# Altium PCB PCB.PcbDoc
Units mm, origin at the board's own origin, x right, y up, seen from the top; angles counter-clockwise.
Board outline 57 x 33 mm, 4 copper layers (Top Layer 1, 3V3, GND, Bottom Layer 1), stack 0.746 mm thick; 41 components, 35 nets, 163 pads, 47 vias.
Unrouted connection lines stored in the file: 32.
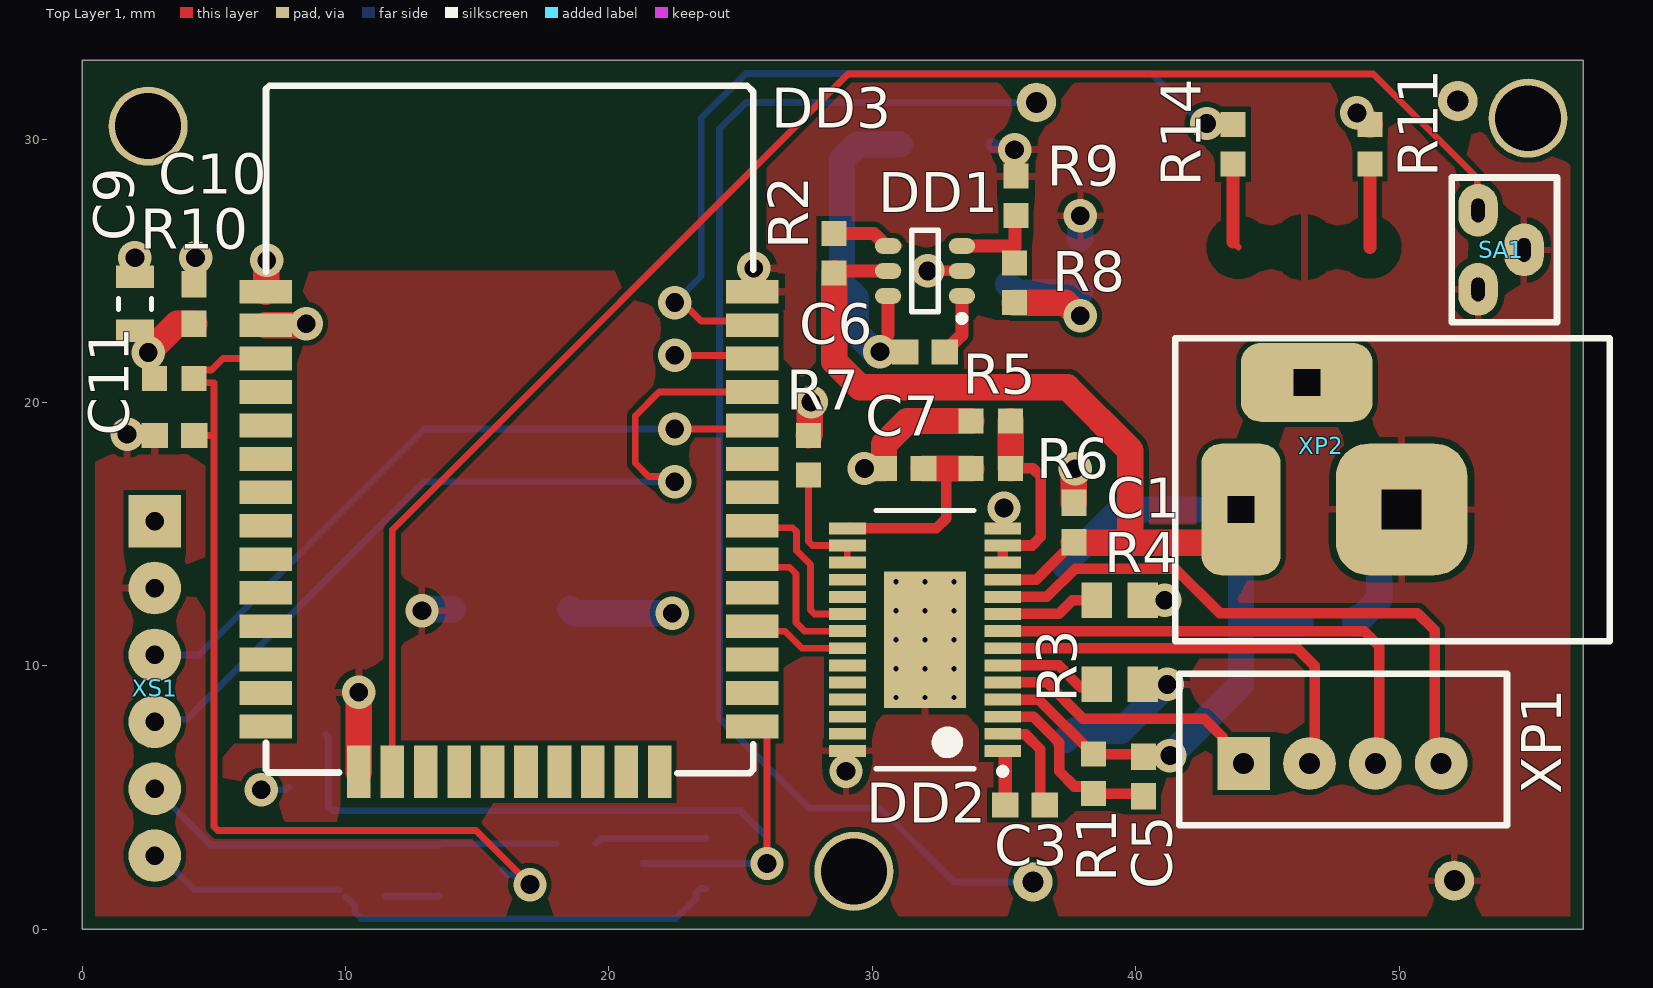
[diagram p0: Top Layer 1 view]
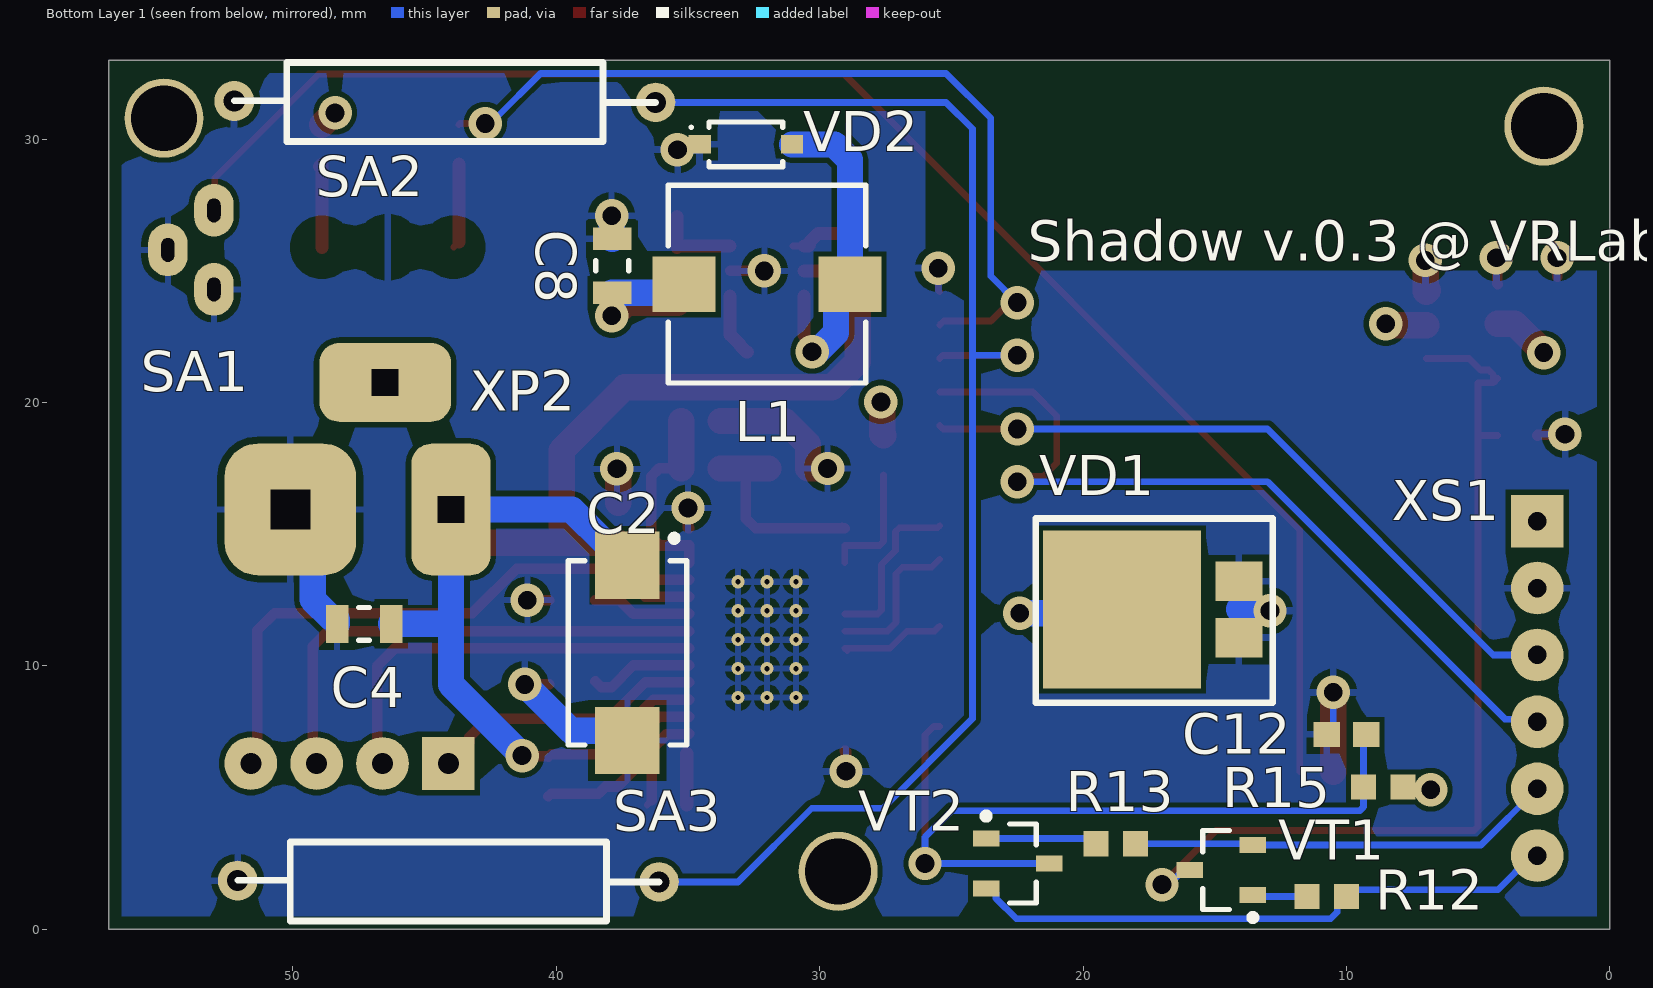
[diagram p1: Bottom Layer 1 view, seen from below]
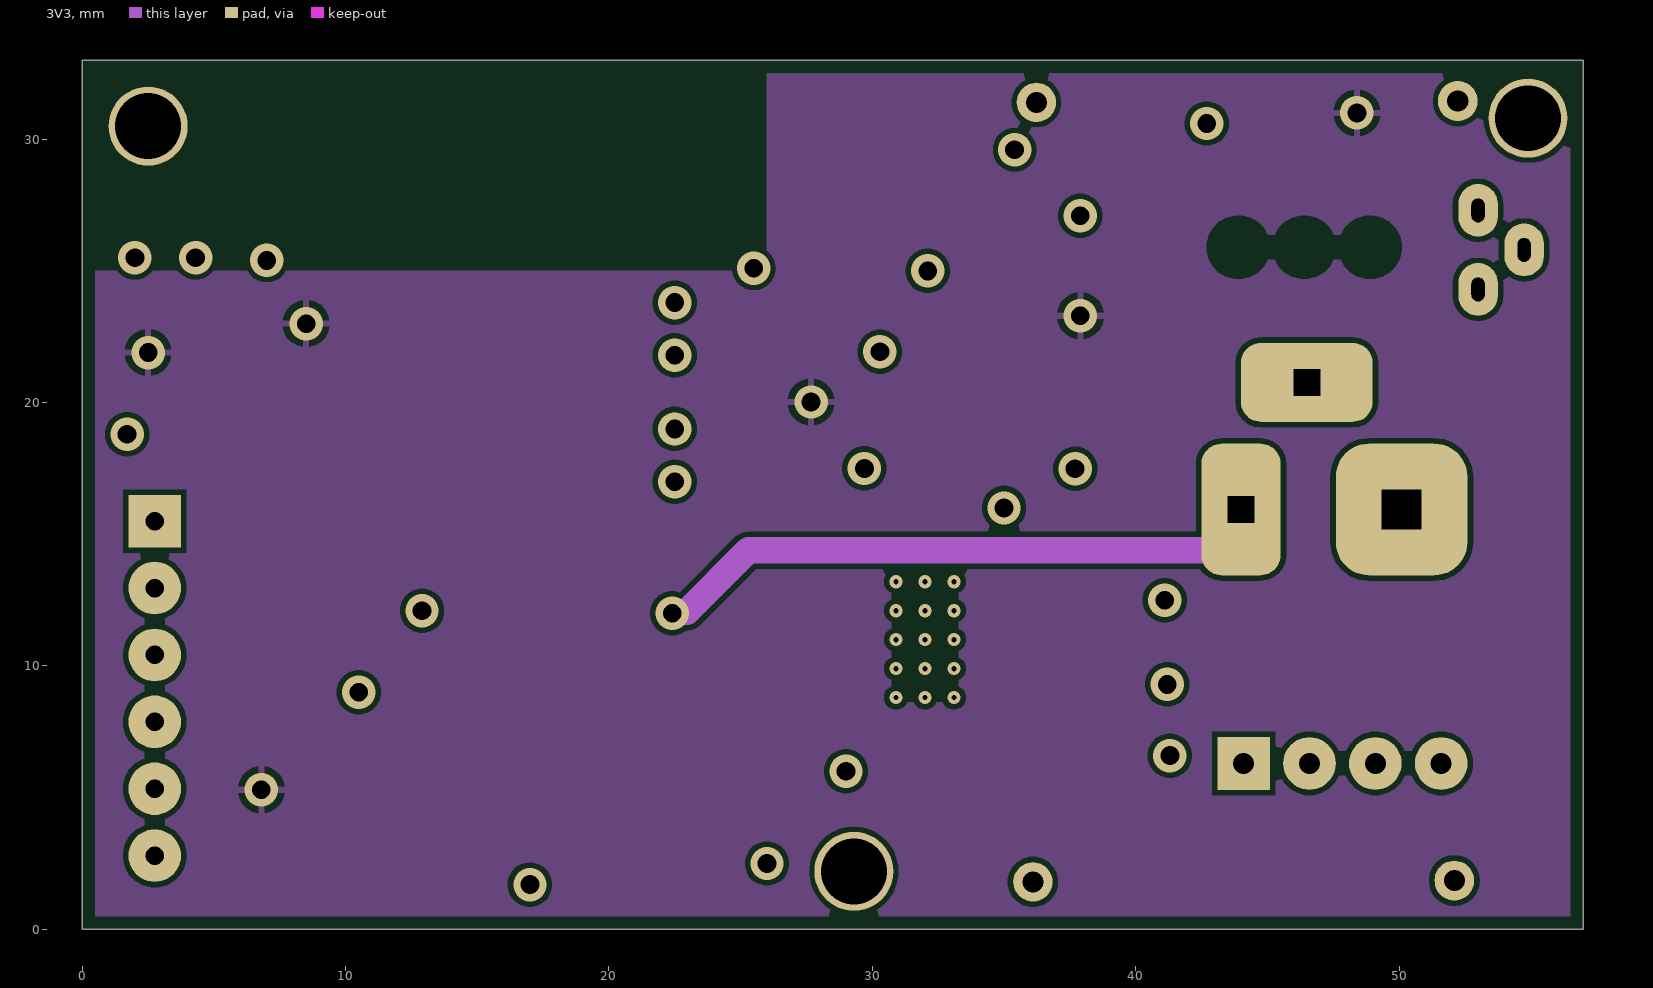
[diagram p2: 3V3]
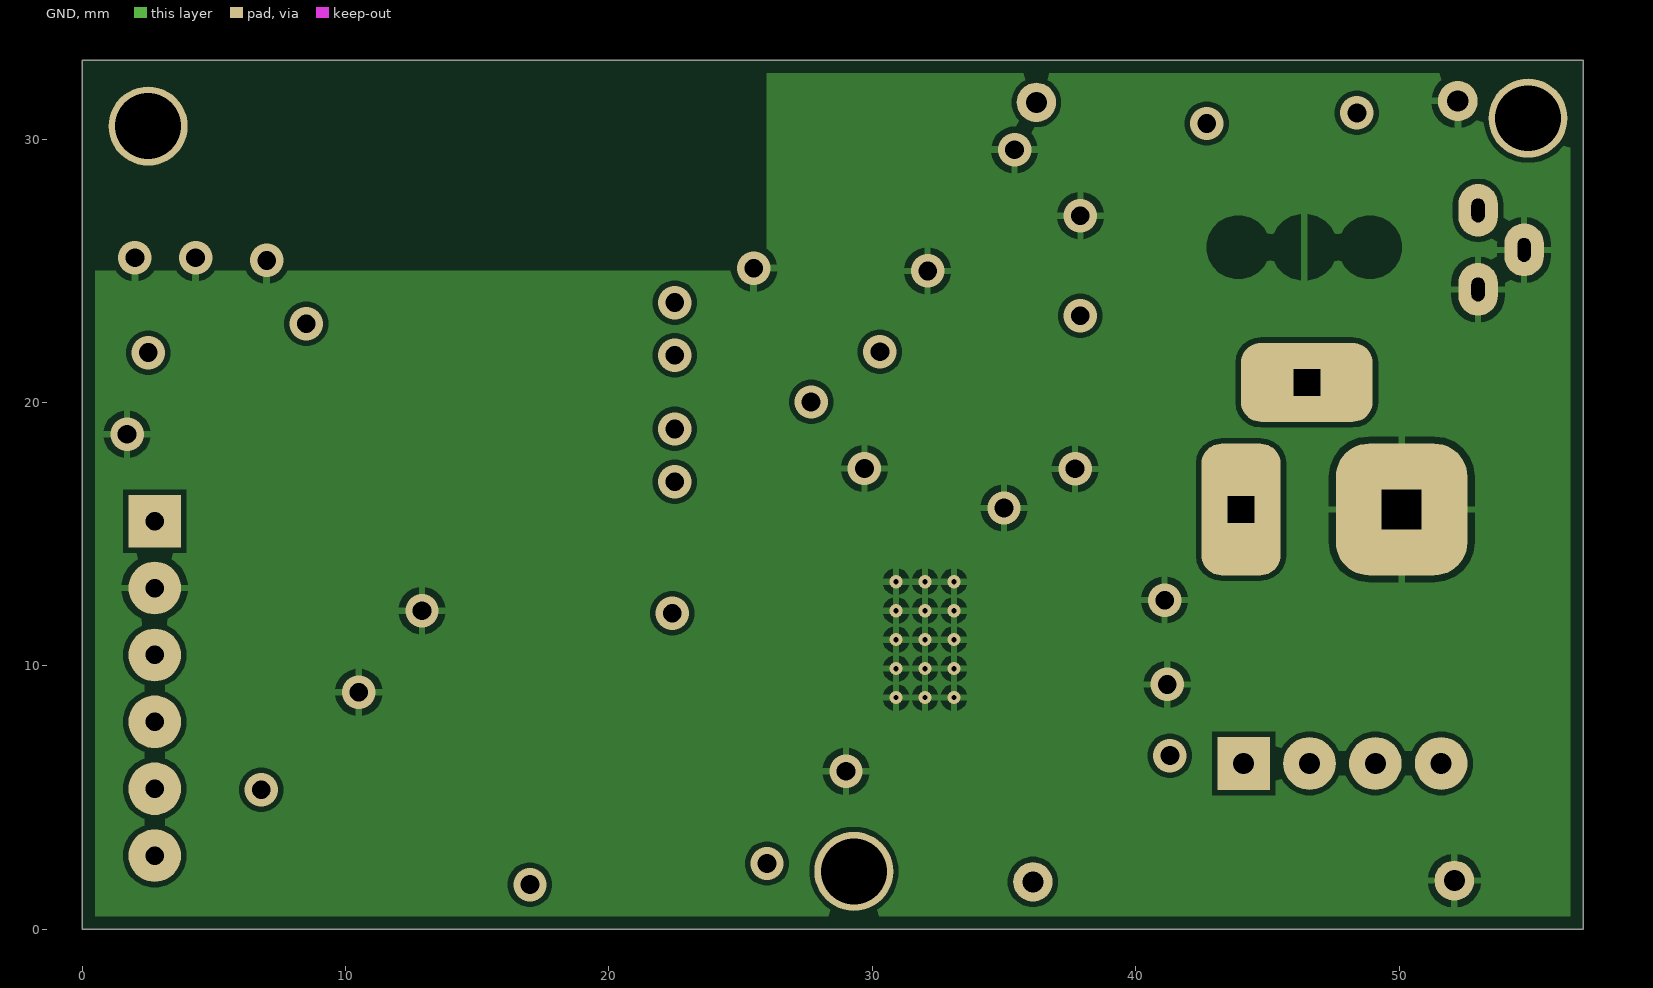
[diagram p3: GND]
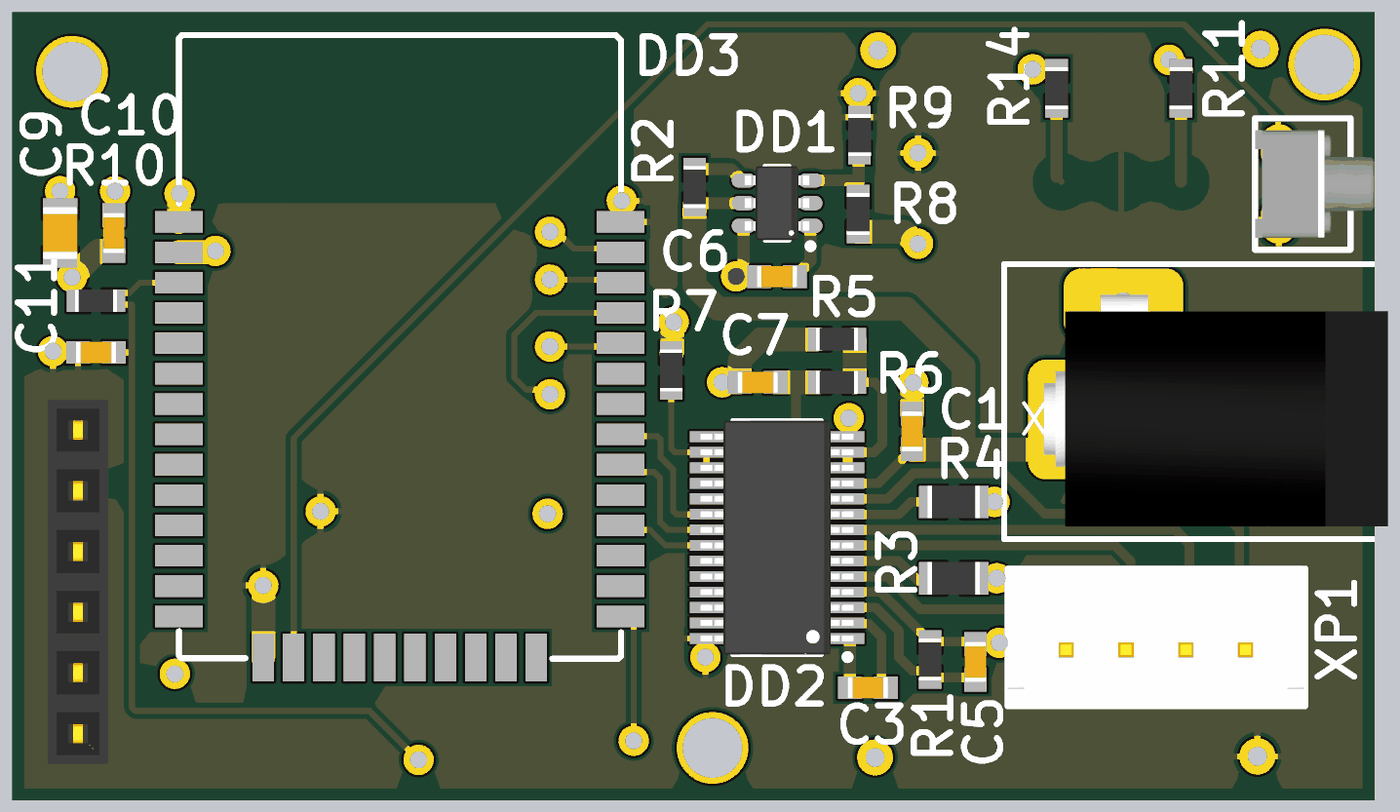
[diagram p4: 3D render of the assembled board from above, using the file's embedded part models]
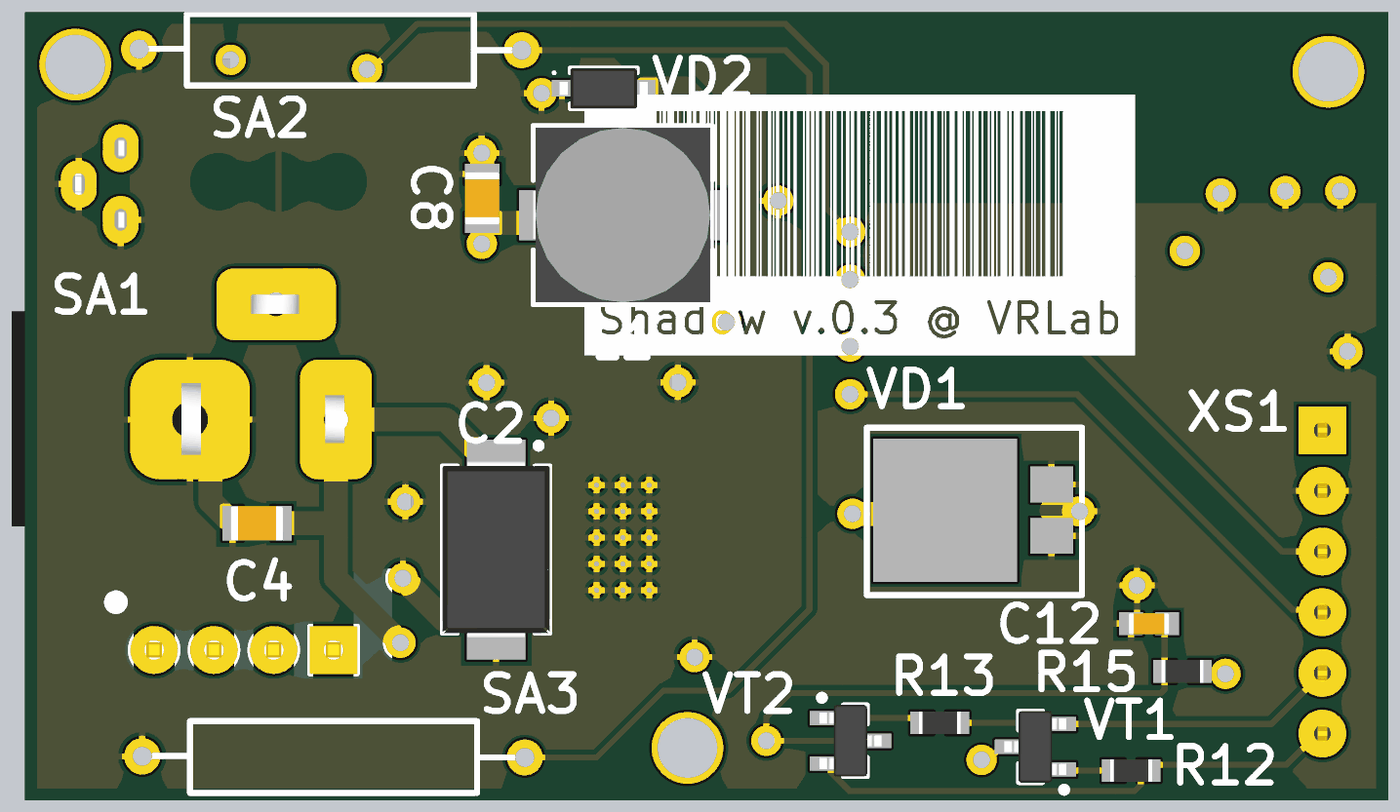
[diagram p5: 3D render of the assembled board from below, using the file's embedded part models]

## Layer stack, top to bottom
Top Solder: solder mask 0.0102, Solder Resist, Dk 3.5
Top Layer 1: signal copper 0.035
Dielectric 4: prepreg 0.0711, PP-006, Dk 4.1
3V3: signal copper 0.0356
Dielectric 2: prepreg 0.0711, PP-006, Dk 4.1
Dielectric 1: dielectric 0.32, FR-4, Dk 4.8
Dielectric 3: prepreg 0.0711, PP-006, Dk 4.1
GND: signal copper 0.0356
Dielectric 5: prepreg 0.0711, PP-006, Dk 4.1
Bottom Layer 1: signal copper 0.035
Bottom Solder: solder mask 0.0102, Solder Resist, Dk 3.5

## Board outline
0,0 32,0 57,0 57,33 0,33

## Design rules (kind name [scope] priority, off if disabled: settings)
Clearance [All] p1: gap=0.2 ignorepadtopadclearanceinfootprint=TRUE
HoleSize [All] p1: absolutevalues=TRUE maxlimit=5 minlimit=0.025 maxpercent=80.000 minpercent=20.000
HoleToHoleClearance [All] p1: gap=0.2 allowstackedmicrovias=TRUE
MinimumSolderMaskSliver [All] p1 off: minsoldermaskwidth=0.254
PolygonConnect [All] p1: connectstyle=Relief reliefconductorwidth=0.254 reliefentries=4 polygonreliefangle="90 Angle" airgapwidth=0.254
RoutingVias [All] p1: holewidth=0.711 width=1.27 viastyle="Through Hole" minholewidth=0.711 minwidth=1.27 maxholewidth=0.711 maxwidth=1.27
SilkToSilkClearance [All] p1 off: silktosilkclearance=0.254
SilkToSolderMaskClearance [IsPad] p1 off: minsilkscreentomaskgap=0.254 clearancetoexposedcopper=TRUE
SolderMaskExpansion [All] p1: expansion=0.102 istentingtop=FALSE
Width [All] p1: maxlimit=5 minlimit=0.254 preferedwidth=0.254
25 further rules are at their usual default settings.

## Components (designator, comment, footprint, x,y, rotation, side; value= is the part's Value field where it differs from the comment)
C1 "C0603" CAPC1608X09N 37.65,15.45 r270 top value=0,1
C2 "К53-68-E" K53-68-E 37.3,10.5 r270 bottom value="100 мкФ"
C3 "C0603" CAPC1608X09N 40.3,5.8 r270 top value=0,1
C4 "C0805" CAPC2012X14N 47.3,11.6 r0 bottom value=2,2uF
C5 "C0603" CAPC1608X09N 35.8,4.721 r0 top value=0,01
C6 "C0603" CAPC1608X09N 32,21.921 r180 top value=0,1
C7 "C0603" CAPC1608X09N 31.196,17.5 r180 top value=0,47
C8 "C0805" CAPC2012X14N 37.879,25.2 r90 bottom value=10uF
C9 "C0805" CAPC2012X14N 2,23.75 r270 top value=10uF
C10 "C0603" CAPC1608X09N 4.25,23.75 r90 top value=0,1
C11 "C0603" CAPC1608X09N 3.5,18.75 r0 top value=1uF
C12 "C0603" CAPC1608X09N 10,7.4 r0 bottom value=0,1
DD1 "LM16006" TSOP95P280X110-6N 32,25 r180 top
DD2 "DRV8825" TSOP65P640X120_HS-29N 32,11 r180 top
DD3 "Твердотельное реле 90В, 10А" ESP32 16.204,15.098 r0 top
L1 "B82472G6223M000" INDP7373X45N 32,24.5 r180 bottom value=22uH
R1 "R0603" RESC1608X06N 38.4,5.9 r270 top value=1M
R2 "R0603" RESC1608X06N 28.55,25.675 r90 top value=100k
R3 "CRL2512-FWR200ELF" RESC2012X07N 39.394,9.3 r180 top value=0,2
R4 "CRL2512-FWR200ELF" RESC2012X07N 39.394,12.5 r180 top value=0,2
R5 "R0603" RESC1608X06N 34.5,19.304 r0 top value=30k
R6 "R0603" RESC1608X06N 34.5,17.5 r180 top value=50k
R7 "R0603" RESC1608X06N 27.575,18 r270 top value=10k
R8 "R0603" RESC1608X06N 35.4,24.546 r270 top value=33k
R9 "R0603" RESC1608X06N 35.45,27.85 r270 top value=10k
R10 "R0603" RESC1608X06N 3.5,20.917 r180 top value=10k
R11 "R0603" RESC1608X06N 48.9,29.806 r90 top value=200
R12 "R0603" RESC1608X06N 10.75,1.25 r180 bottom value=10k
R13 "R0603" RESC1608X06N 18.75,3.25 r0 bottom value=10k
R14 "R0603" RESC1608X06N 43.7,29.806 r270 top value=200
R15 "R0603" RESC1608X06N 8.6,5.4 r0 bottom value=10k
SA1 "Кнопка" "Кнопка 4,3х4,3 боковая" 52.5,22.3 r90 top
SA2 "геркон 12мм" "Геркон 12 мм" 36.231,31.4 r0 bottom
SA3 "геркон 12мм" "Геркон 12 мм" 36.1,1.8 r0 bottom
VD1 "SS10PH10" TO-277A 14.3,11.1 r90 bottom
VD2 "Диод Шоттки 40V, 500mA SOD123" SODFL370X125-2N 32.8,29.804 r180 bottom
VT1 "MMBT3904" SOT95P245X110-3N 14.75,2.25 r0 bottom
VT2 "MMBT3904" SOT95P245X110-3N 22.479,2.5 r180 bottom
XP1 "WF4" WF-4 44.1,6.3 r180 top
XP2 "DC-005" DC-005 44,15.944 r180 top
XS1 "PBS-6R" PBS-6 2.75,15.5 r270 top

## Footprints (in the part's own frame and the unit in brackets; to place one, negate y for a bottom-side part, rotate by r counter-clockwise, add the part's x,y. Pads: shape width x height; smd on the part's side, far side on the other; paste and mask are expansions set on the pad)
CAPC1608X09N [mm] "Chip Capacitor, 2-Leads, Body 1,60x0,80mm, IPC Medium Density"
  rect 1x0.95 smd: 1(-0.75,0) 2(0.75,0)
  body extent -0.85,-0.45 0.85,0.45, height 0.9
CAPC2012X14N [mm] "Chip Capacitor, 2-Leads, Body 2,00x1,25mm, IPC Medium Density"
  rect 0.85x1.45 smd: 1(-1.025,0) 2(1.025,0)
  silkscreen extent -0.2,-0.62 0.2,0.62, body extent -1.1,-0.72 1.1,0.72, height 1.45
DC-005 [mm] "Раазъем питания на плату"
  rrect50% 3x5 hole 1 square: 1(0,0)
  rrect50% 5x5 hole 1.5 square: 2(-6.1,0)
  rrect50% 5x3 hole 1 square: 5(-2.5,-4.825)
  silkscreen extent -14,-6.5 2.5,5, body extent -13.55,-5.22 0.85,4.48, height 11
ESP32 [mm]
  rect 2x0.9 smd: 1(-9.24,9.115) 2(-9.24,7.845) 3(-9.24,6.575) 4(-9.24,5.305) 5(-9.24,4.035) 6(-9.24,2.765) 7(-9.24,1.495) 8(-9.24,0.225) 9(-9.24,-1.045) 10(-9.24,-2.315) 11(-9.24,-3.585) 12(-9.24,-4.855) 13(-9.24,-6.125) 14(-9.24,-7.395) 25(9.24,-7.395) 26(9.24,-6.125) 27(9.24,-4.855) 28(9.24,-3.585) 29(9.24,-2.315) 30(9.24,-1.045) 31(9.24,0.225) 32(9.24,1.495) 33(9.24,2.765) 34(9.24,4.035) 35(9.24,5.305) 36(9.24,6.575) 37(9.24,7.845) 38(9.24,9.115)
  rect 0.9x2 smd: 15(-5.705,-9.115) 16(-4.435,-9.115) 17(-3.165,-9.115) 18(-1.895,-9.115) 19(-0.625,-9.115) 20(0.645,-9.115) 21(1.915,-9.115) 22(3.185,-9.115) 23(4.455,-9.115) 24(5.725,-9.115)
  silkscreen extent -9.23,-9.16 9.27,16.94, body extent -9.01,-8.91 9.03,16.61, height 3.15
INDP7373X45N [mm] "Precision Wire Wound Inductor, 2-Leads, Body 7,30x7,30mm, IPC Medium Density"
  rect 2.4x2.1 smd: 1(-3.15,0) 2(3.15,0)
  silkscreen extent -3.75,-3.75 3.75,3.75, body extent -3.75,-3.65 3.75,3.65, height 4.6
K53-68-E [mm] "Molded Capacitor, 2-Leads, Body 7,30x4,30mm, IPC Medium Density"
  rect 2.55x2.45 smd: 1(-3.325,0) 2(3.325,0)
  silkscreen extent -4.47,-2.25 3.5,2.25, body extent -3.72,-2.25 3.72,2.25, height 4.4
PBS-6 [mm]
  rect 2x2 hole 0.7: 1(0,0)
  round 2 hole 0.7: 2(2.54,0) 3(5.08,0) 4(7.62,0) 5(10.16,0) 6(12.7,0)
  body extent -1.27,-1.27 13.97,1.27, height 8.5
RESC1608X06N [mm] "Chip Resistor, 2-Leads, Body 1,60x0,85mm, IPC Medium Density"
  rect 0.95x0.95 smd: 1(-0.75,0) 2(0.75,0)
  body extent -0.87,-0.48 0.87,0.48, height 0.55
RESC2012X07N [mm] "Chip Resistor, 2-Leads, Body 2,00x1,25mm, IPC Medium Density"
  rect 1.15x1.35 smd: 1(-0.875,0) 2(0.875,0)
  body extent -1.1,-0.67 1.1,0.67, height 0.7
SODFL370X125-2N [mm] "SODFL, 2-Leads, Body 1,60x3,70mm, IPC Medium Density"
  rect 0.85x0.7 smd: 1(-1.75,0) 2(1.75,0)
  silkscreen extent -2.12,-0.85 1.4,0.85, body extent -1.85,-0.85 1.85,0.85, height 1.25
SOT95P245X110-3N [mm] "SOT23, 3-Leads, Body 2,90x2,45mm, Pitch 0,95mm, IPC Medium Density"
  rect 1x0.6 smd: 1(-1.2,0.95) 2(-1.2,-0.95) 3(1.2,0)
  silkscreen extent -1.32,-1.5 0.7,1.92, body extent -1.3,-1.5 1.3,1.5, height 1.1
TO-277A [mm]
  rect 1.5x1.8 smd: 1(-0.025,-0.225) 2(2.125,-0.225)
  rect 6x6 smd: 3(1.05,4.225)
  silkscreen extent -2.5,-1.5 4.5,7.5, body extent -1.32,-0.58 3.42,6.07, height 1.2
TSOP65P640X120_HS-29N [mm] "TSOP, 28-Leads, Body 9,70x4,40mm, Pitch 0,65mm, Thermal Pad 5,18x3,10mm, IPC Medium Density"
  rect 1.4x0.45 smd: 1(-2.95,4.225) 2(-2.95,3.575) 3(-2.95,2.925) 4(-2.95,2.275) 5(-2.95,1.625) 6(-2.95,0.975) 7(-2.95,0.325) 8(-2.95,-0.325) 9(-2.95,-0.975) 10(-2.95,-1.625) 11(-2.95,-2.275) 12(-2.95,-2.925) 13(-2.95,-3.575) 14(-2.95,-4.225) 15(2.95,-4.225) 16(2.95,-3.575) 17(2.95,-2.925) 18(2.95,-2.275) 19(2.95,-1.625) 20(2.95,-0.975) 21(2.95,-0.325) 22(2.95,0.325) 23(2.95,0.975) 24(2.95,1.625) 25(2.95,2.275) 26(2.95,2.925) 27(2.95,3.575) 28(2.95,4.225)
  rect 3.1x5.18 smd: 29(0,0)
  silkscreen extent -3.08,-4.9 1.85,5.12, body extent -3.2,-4.9 3.2,4.9, height 1.2
TSOP95P280X110-6N [mm] "TSOP, 6-Leads, Body 2,90x1,60mm, Pitch 0,95mm, IPC Medium Density"
  oval 1x0.6 smd: 1(-1.4,0.95) 2(-1.4,0) 3(-1.4,-0.95) 4(1.4,-0.95) 5(1.4,0) 6(1.4,0.95)
  silkscreen extent -1.53,-1.55 0.5,1.92, body extent -1.39,-1.55 1.39,1.55, height 1.1
WF-4 [mm]
  rect 2x2 hole 0.8: 1(0,0)
  round 2 hole 0.8: 2(-2.5,0) 3(-5,0) 4(-7.5,0)
  silkscreen extent -10,-3.4 2.45,2.35, body extent -9.95,-3.4 2.45,2.35, height 3.5
"Геркон 12 мм" [mm]
  round 1.5 hole 0.8: 1(0,0)
  oval 1.5x1.524 hole 0.8: 2(16,-0.049)
  silkscreen extent 0,-1.52 16,1.48, body extent 2,-1.55 14,1.45, height 5
"Кнопка 4,3х4,3 боковая" [mm]
  oval 2x1.5 hole 0.5 slot 0.9 at 0 deg: 1(2,-0.5) 2(5,-0.5) 3(3.5,-2.25)
  silkscreen extent 0.75,-3.5 6.25,0.5, body extent 1.25,-4.5 5.75,0.5, height 4.75

## Part data
C1 C3 C6 C10 C12: Part Number="Конденсатор 0.1мкФ X7R 50В 10% 0603, GRM188R71H104K", Volt=Volt, Group=Конденсаторы, Precision=Precision, TKE=TKE, TU=TU, Type=Type
C2: Volt=16В, FullName="К53-68 \"E\"-16В-100мкФ±20%", Group=Конденсаторы, Precision=±20%, Price=1, TKE=TKE, TU="АЖЯР.673546.007 ТУ", Type=К53-68
C4: Part Number="Конденсатор 2.2мкФ X7R 25В 0805, GRM21BR71E225K", Volt=Volt, Group=Конденсаторы, Precision=Precision, TKE=TKE, TU=TU, Type=Type
C5: Part Number="Конденсатор 0.01 мкФ X7R 50В 10% 0603, GRM188R71H103K", Volt=Volt, Group=Конденсаторы, Precision=Precision, TKE=TKE, TU=TU, Type=Type
C7: Part Number="Конденсатор CC0603KRX7R9BB474, 0603 X7R 0,47мкФ 50В 10%", Volt=Volt, Group=Конденсаторы, Precision=Precision, TKE=TKE, TU=TU, Type=Type
C8 C9: Part Number="Конденсатор 10 мкФ X5R 10% 16В 0805, GRM21BR61C106K", Volt=Volt, Group=Конденсаторы, Precision=Precision, TKE=TKE, TU=TU, Type=Type
C11: Part Number="Конденсатор 1мкФ X7R 10В 10% 0603, GRM188R61A105K", Volt=Volt, Group=Конденсаторы, Precision=Precision, TKE=TKE, TU=TU, Type=Type
DD1: library part LM16006XDDC, "LMR16006 SIMPLE SWITCHER® 60 V 0.6 A Buck Regulators", Manufacturer="Texas Instruments", Part Number="Микросхема LM16006XDDC", FullName=LM16006XDDC, Group=Микросхемы, TU=TU, Type=LM16006XDDC
DD2: "DRV8825 Stepper Motor Controller IC", Manufacturer="Texas Instruments", Part Number=DRV8825PWP, FullName=DRV8825PWP, Group=Микросхемы, TU=TU, Type=Type
DD3: library part ESP32-WROOM-32, "Модуль ESP32", Manufacturer=ESPRESSIV, Part Number="ESP32-WROOM-32D [16MB], Встраиваемый Wi-Fi/Bluetooth модуль на базе чипа ESP32-D0WD с PCB-антенной", Type=ESP32-WROOM-32
L1: "ЧИП-индуктивность силовая проволочная экранированная 22мкГн +20% 100кГц феррит 1.45А 91мОм", Part Number="Индуктивность 22uH, 1,45A B82472G6223M000", FullName=B82472G6223M000, Group=Group, TU=TU, Type=Type
R1: "Резистор 0603", Part Number="Резистор 0.1Вт 0603 1 МОм, 5%", Group=Резисторы, TU=TU, Type=Type
R2: "Резистор 0603", Part Number="Резистор 0.1Вт 0603 100 кОм, 5%", Group=Резисторы, TU=TU, Type=Type
R3 R4: "Резистор шунт BOURNS 1W 1% 200 мОм", Part Number="Резистор 0805 0,2 Ом, 1% RI0805LR200FT", Group=Резисторы, Precision=1%, TU=TU, Type=Type
R5: "Резистор 0603", Part Number="Резистор 0.1Вт 0603 30 кОм, 1%", Group=Резисторы, TU=TU, Type=Type
R6: "Резистор 0603", Part Number="Резистор 0.1Вт 0603 50 кОм, 1%", Group=Резисторы, TU=TU, Type=Type
R7 R10 R12 R13 R15: "Резистор 0603", Part Number="Резистор 0.1Вт 0603 10 кОм, 5%", Group=Резисторы, TU=TU, Type=Type
R8: "Резистор 0603", Part Number="Резистор 0.1Вт 0603 33 кОм, 1%", Group=Резисторы, TU=TU, Type=Type
R9: "Резистор 0603", Part Number="Резистор 0.1Вт 0603 10 кОм, 1%", Group=Резисторы, TU=TU, Type=Type
R11 R14: "Резистор 0603", Part Number="Резистор 0.1Вт 0603 200 Ом, 5%", Group=Резисторы, TU=TU, Type=Type
SA1: library part TactSwitch4.5x4.5, "Кнопка трехконтактная 4,5х4,5 боковая", Part Number="tact switch 4.5x4.5mm", Group=Кнопки, TU=TU, Type=Type
SA2 SA3: "Геркон пластик Китай 12мм", Part Number="Геркон 12 мм", Group="Изделия коммутационные", TU=TU, Type=Type
VD1: "High Current Density Surface-Mount / High Voltage Schottky Rectifiers", Group=Диоды, Part Number=SS10PH10, TU=TU, Type=Type
VD2: library part MBR0540, Group=Диоды, Part Number=MBR0540, TU=TU, Type=Type
VT1 VT2: "MMBT3904, Транзистор NPN 40В 0.2А [SOT-23-3]", Part Number="Транзистор MMBT3904", FullName=MMBT3904, Group=Транзисторы, TU=TU, Type=MMBT3904
XP1: library part WF4_1, "Вилка 2,54мм прямая на плату", Manufacture=Manufacture, Part Number="Вилка WF-4", Group=Соединители, Type=WF-4
XP2: "Разъем питания DC 2.1x5.5 мм гнездо, прямой угол на плату", Manufacture=Manufacture, Part Number="Вилка DS-201", Group=Соединители, Type=DS-201
XS1: library part PBS-6, "Розетка 2,54мм прямая однорядная на плату", Manufacture=Manufacture, Part Number="Розетка PBS-6", Group=Соединители, Type=PBS-6

## Free pads (board coordinates)
  round 3 hole 2.5: 1(2.5,30.5) 2(29.3,2.2) 3(54.9,30.8)

## Via types
v1: diameter 1.27, hole 0.711, Top Layer 1 to Bottom Layer 1, 32 vias
v2: diameter 0.5, hole 0.2, Top Layer 1 to Bottom Layer 1, 15 vias

## Nets (pads, with @x,y where several pads share a name; then routed paths per layer and width w, separated by ;. In a path a pad name is that pad's centre, name@x,y a point inside that pad or via, vN(x,y) a via of type N, cw(c..) or ccw(c..) an arc to the next point about the centre after c; other vN are vias at no path point)
3V3: C8.1 C9.2 C10.1 DD3.2 L1.1 R7.1 R8.2 R10.2 R11.2 R15.1 | length 12.4
  Top Layer 1 w1: v1(2.5,21.9) 3.6,23 C10.1 ; DD3.2 8.37,22.943 8.427,23 v1(8.5,23) ; R7.1 27.623,18.798 27.623,19.973 v1(27.675,20.025) ; R8.2 37.331,23.796 37.827,23.3 v1(37.9,23.3) ; v1(48.4,31) 48.456,31 R11.2
  Bottom Layer 1 w0.254: v1(6.8,5.3) 7.75,5.3 R15.1
  Bottom Layer 1 w1: L1.1 35.475,24.175 C8.1
AOUT1: DD2.5 XP1.1 | length 10.5
  Top Layer 1 w0.4: DD2.5 36.623,9.375 37.998,8 42.6,8 43.3,7.3 43.3,7.1 XP1.1
AOUT2: DD2.7 XP1.2 | length 15.9
  Top Layer 1 w0.4: DD2.7 46.125,10.675 46.8,10 46.8,6.5 XP1.2
BOUT1: DD2.10 XP1.4 | length 23
  Top Layer 1 w0.4: DD2.10 36.625,12.625 37.7,13.7 41.5,13.7 43.2,12 50.7,12 51.35,11.35 51.35,6.55 XP1.4
BOUT2: DD2.8 XP1.3 | length 19.1
  Top Layer 1 w0.4: DD2.8 48.675,11.325 49.25,10.75 49.25,6.45 XP1.3
DIR: DD2.20 DD3.31 | length 6.4
  Top Layer 1 w0.254: DD3.31 25.517,15.25 26.972,15.25 27.121,15.101 27.121,14.379 27.65,13.85 27.65,12.124 27.799,11.975 DD2.20
DTR: R12.2 VT2.2 XS1.6 | length 22.3
  Bottom Layer 1 w0.254: XS1.6 2.95,2.8 4.25,1.5 R12.2@9.75,1.5 ; R12.2 10.348,0.902 10.348,0.652 10.6,0.4 22.529,0.4 23.306,1.177 23.306,1.377 23.479,1.55 VT2.2
GND: C1.1 C2.2 C4.2 C7.2 C8.2 C9.1 C10.2 C11.1 C12.2 DD1.2 DD2.14 DD2.28 DD2.29 DD3.1 DD3.15 DD3.38 R3.1 R4.1 R5.1 R9.1 SA1.1 SA1.3 SA2.2 SA3.2 VD1.1 VD1.2 VD2.1 XP2.2 XS1.2 | length 34.3
  Top Layer 1 w0.254: DD3.38 25.5,24.269 v1(25.5,25.1)
  Top Layer 1 w0.4: v1(1.7,18.8) 1.725,18.775 2.725,18.775 C11.1 ; C9.1 v1(2,25.5) ; C10.2 4.275,24.525 4.275,25.475 v1(4.3,25.5) ; v1(29,6) 29,6.75 29.025,6.775 DD2.28 ; v1(32.1,25) DD1.2@33.4,25 ; DD2.14 34.975,15.225 35,15.25 v1(35,16) ; R3.1 v1(41.2,9.3) ; R4.1 v1(41.1,12.5)
  Top Layer 1 w1: XS1.2@2.559,13.151 XS1.2 ; DD3.1@6.914,24.263 DD3.1 6.982,24.231 6.982,25.382 v1(7,25.4) ; DD3.15 v1(10.5,9) ; v1(29.7,17.5) C7.2 30.446,18.421 31.329,19.304 R5.1 ; C1.1 37.65,17.435 v1(37.7,17.485)
  Bottom Layer 1 w0.254: v1(10.5,9) 10.5,7.65 C12.2
  Bottom Layer 1 w0.5: VD2.1 34.65,29.704 35.296,29.704 v1(35.4,29.6)
  Bottom Layer 1 w1: v1(12.9,12.1) 12.95,12.15 14.075,12.15 ; C2.2 37.664,7.539 39.439,7.539 v1(41.2,9.3) ; C8.2 37.89,26.235 37.89,27.09 v1(37.9,27.1) ; C4.2 48.325,11.75 48.4,11.825 48.55,11.825 49.255,12.53 49.255,15.098 XP2.2
  other v2: 30.9,8.8 32,8.8 33.1,8.8 30.9,9.9 32,9.9 33.1,9.9 30.9,11 32,11 33.1,11 30.9,12.1 32,12.1 33.1,12.1 30.9,13.2 32,13.2 33.1,13.2
nENBL: DD2.21 DD3.30 | length 5.8
  Top Layer 1 w0.254: DD3.30 25.747,13.75 26.851,13.75 27.1,13.501 27.1,11.65 27.425,11.325 DD2.21
NetC1_2: C1.2 C2.1 C3.1 C4.1 DD1.5 DD2.4 DD2.11 R1.1 R2.1 VD1.3 XP2.1 | length 87.1
  Top Layer 1 w0.4: DD2.4 36.325,8.725 R1.1 40.2,6.65 C3.1 40.325,6.575 41.275,6.575 v1(41.3,6.6) ; DD2.11 36.225,13.275 37.35,14.4 C1.2@37.375,14.4
  Top Layer 1 w0.5: R2.1 28.625,25 DD1.5
  Top Layer 1 w1: R2.1 28.55,21.562 29.529,20.583 37.4,20.583 39.8,18.183 39.8,14.675 ; C1.2@37.65,14.675 39.8,14.675 ; XP2.1@43.731,15.675 XP2.1 44,15.656 43.019,14.675 39.8,14.675
  3V3 w1: v1(22.4,12) 22.452,12.052 22.952,12.052 25.3,14.4 43.019,14.4 44,15.381 XP2.1
  Bottom Layer 1 w1: VD1.3 18.675,12 v1(22.4,12) ; C2.1 37.3,13.875 38.025,14.6 38.075,14.6 39.419,15.944 XP2.1 44,11.4 ; v1(41.3,6.6) 44,9.3 44,11.4 ; C4.1 44.2,11.6 44,11.4
NetC3_2: C3.2 DD2.3 R1.2 | length 7.2
  Top Layer 1 w0.4: DD2.3 36.118,8.075 37.1,7.093 37.1,6 37.676,5.424 38.126,5.424 R1.2 40.2,5.15 C3.2
NetC5_1: C5.1 DD2.1 | length 2.1
  Top Layer 1 w0.254: DD2.1 34.952,6.775 DD2.1@35.05,6.677
  Top Layer 1 w0.5: C5.1 DD2.1@35.05,6.677
NetC5_2: C5.2 DD2.2 | length 3.9
  Top Layer 1 w0.254: C5.2@36.373,4.898 C5.2
  Top Layer 1 w0.4: DD2.2 34.975,7.4 35.816,7.4 36.373,6.843 C5.2@36.373,4.898
NetC6_1: C6.1 DD1.1 | length 2.4
  Top Layer 1 w0.5: C6.1 32.775,21.921 33,22.146 33,22.171 33.4,22.571 DD1.1
NetC6_2: C6.2 DD1.6 L1.2 VD2.2 | length 12
  Top Layer 1 w0.254: DD1.6 DD1.6@30.65,24
  Top Layer 1 w0.5: 30.6,22.571 DD1.6
  Bottom Layer 1 w1: v1(30.289,21.935) 30.237,21.987 30.047,21.987 29.378,22.656 29.378,23.972 L1.2 28.85,29.218 29.436,29.804 VD2.2
NetC7_1: C7.1 DD2.15 R6.2 | length 7.8
  Top Layer 1 w0.254: DD2.15 DD2.15@29.148,15.323
  Top Layer 1 w0.4: DD2.15 32.425,15.225 32.8,15.6 32.8,17.452 32.848,17.5
  Top Layer 1 w1: C7.1 32.848,17.5 R6.2
NetC11_2: C11.2 DD3.3 R10.1 VT1.3 | length 35.7
  Top Layer 1 w0.254: C11.2 5,18.75 ; R10.1 R10.1@4.417,20.75 ; DD3.3 5.34,21.673 4.907,21.24 4.598,21.24 4.417,21.059 R10.1@4.417,20.75 ; v1(17,1.7) 14.95,3.75 5.149,3.75 5,3.899 5,18.75 ; R10.1@4.417,20.75 5,20.75 5,18.75
  Bottom Layer 1 w0.254: VT1.3 16.123,2.077 16.348,2.077 16.725,1.7 v1(17,1.7)
NetC12_1: C12.1 DD3.25 R15.2 VT2.3 | length 31.2
  Top Layer 1 w0.254: DD3.25 25.677,7.703 26,7.38 v1(26,2.5)
  Bottom Layer 1 w0.254: C12.1 9.35,7.3 9.35,4.65 9.5,4.5 25,4.5 26,3.5 v1(26,2.5) VT2.3
NetDD1_3: DD1.3 R8.1 R9.2 | length 3.2
  Top Layer 1 w0.5: DD1.3 35.368,25.95 35.418,25.9 R9.2@35.418,27.068
NetDD1_4: DD1.4 R2.2 | length 2.7
  Top Layer 1 w0.254: DD1.4 DD1.4@31.018,25.95
  Top Layer 1 w0.5: R2.2 30.057,26.425 30.381,26.101 30.381,25.996 30.427,25.95 DD1.4
NetDD2_6: DD2.6 R3.2 | length 4
  Top Layer 1 w0.4: DD2.6 37.075,10.025 37.9,9.2 38.294,9.2 R3.2@38.519,9.425
NetDD2_9: DD2.9 R4.2 | length 3.8
  Top Layer 1 w0.4: DD2.9 37.075,11.975 37.6,12.5 R4.2
NetDD2_12: DD2.12 DD2.13 R5.2 R6.1 | length 7.6
  Top Layer 1 w0.4: DD2.12 DD2.13 36.075,14.575 36.4,14.9 36.4,17.2 36.1,17.5 R6.1
  Top Layer 1 w1: R6.1 R5.2
NetDD2_16: DD2.16 DD2.17 R7.2 | length 4.7
  Top Layer 1 w0.254: R7.2 27.575,14.724 27.724,14.575 DD2.16 DD2.17
NetDD3_16: DD3.16 SA1.2 | length 60.4
  Top Layer 1 w0.254: DD3.16 11.769,15.169 29.077,32.477 49.023,32.477 52.968,28.532 52.968,27.332 SA1.2
NetDD3_34: DD3.34 XS1.3 | length 26.3
  Top Layer 1 w0.254: v1(22.5,19) 25.311,19 DD3.34
  Bottom Layer 1 w0.254: XS1.3 4.42,10.42 13,19 v1(22.5,19)
NetDD3_35: DD3.35 XS1.4 | length 31.9
  Top Layer 1 w0.254: v1(22.5,17) 22.306,17.194 21.506,17.194 21,17.7 21,19.5 21.903,20.403 DD3.35
  Bottom Layer 1 w0.254: XS1.4 2.852,7.982 3.982,7.982 13,17 v1(22.5,17)
NetDD3_36: DD3.36 SA2.1 SA3.1 | length 54
  Top Layer 1 w0.254: v1(22.5,21.8) 22.512,21.788 25.329,21.788 DD3.36
  Bottom Layer 1 w0.254: v1(22.5,21.8) 24.2,21.8 ; SA3.1 33.1,1.8 30.3,4.6 27.6,4.6 24.2,8 24.2,21.8 ; SA2.1 25.2,31.4 24.2,30.4 24.2,21.8
NetDD3_37: DD3.37 R14.1 | length 32.5
  Top Layer 1 w0.254: v1(22.5,23.8) 22.545,23.845 22.755,23.845 23.5,23.1 25.287,23.1 DD3.37 ; v1(42.7,30.6) 43.656,30.6 R14.1
  Bottom Layer 1 w0.254: v1(22.5,23.8) 23.5,24.8 23.5,30.8 25.2,32.5 40.6,32.5 42.3,30.8 42.3,30.749 42.449,30.6 v1(42.7,30.6)
NetHL1_1: R11.1 | length 3.3
  Top Layer 1 w0.5: 48.9,25.9 R11.1 R11.1@48.992,28.964
NetHL1_2: R14.2 | length 3.2
  Top Layer 1 w0.254: 43.7,26.1 43.9,25.9
  Top Layer 1 w0.5: 43.7,26.1 R14.2
NetR12_1: R12.1 VT1.1 | length 2.1
  Bottom Layer 1 w0.254: R12.1 13.5,1.25 VT1.1
NetR13_2: R13.2 VT2.1 | length 4.3
  Bottom Layer 1 w0.254: R13.2 19.7,3.45 VT2.1
RTS: R13.1 VT1.2 XS1.5 | length 16.2
  Bottom Layer 1 w0.254: XS1.5 4.89,3.2 VT1.2 13.6,3.25 R13.1
STEP: DD2.22 DD3.28 | length 4.1
  Top Layer 1 w0.254: DD3.28 25.633,11.324 26.676,11.324 27.325,10.675 DD2.22 DD2.22@28.952,10.577
pads on no net: DD2.18 DD2.19 DD2.23 DD2.24 DD2.25 DD2.26 DD2.27 DD3.4 DD3.5 DD3.6 DD3.7 DD3.8 DD3.9 DD3.10 DD3.11 DD3.12 DD3.13 DD3.14 DD3.17 DD3.18 DD3.19 DD3.20 DD3.21 DD3.22 DD3.23 DD3.24 DD3.26 DD3.27 DD3.29 DD3.32 DD3.33 XP2.5 XS1.1

## Polygon pours and split planes (outlines as drawn)
GND on GND "GND_L03_P005" (solid, remove dead copper, pour order 5): 26,25 26,32.5 56.5,32.5 56.5,0.5 0.5,0.5 0.5,25
GND on GND "GND_L03_P004" (solid, remove dead copper, pour order 4): 29.5,14.5 29.5,7.5 35,7.5 35,14.5
GND on Bottom Layer 1 "GND_L04_P007" (solid, remove dead copper, pour order 7): 0.5,0.5 0.5,25 26,25 26,32.5 56.5,32.5 56.5,0.5
GND on Bottom Layer 1 "GND_L04_P003" (solid, remove dead copper, pour order 3): 29.5,14 29.5,7.5 34.5,7.5 34.5,14
3V3 on 3V3 "3V3_L02_P000" (solid, remove dead copper, pour order 0): 0.5,25 0.5,0.5 56.5,0.5 56.5,32.5 26,32.5 26,25
GND on Top Layer 1 "GND_L01_P008" (solid, remove dead copper, pour order 8): 0.5,25 0.5,0.5 56.5,0.5 56.5,32.5 26,32.5 26,25

## Silkscreen, mask and mechanical layers (free items; w line width, h text height)
Bottom Overlay:
  text "Shadow v.0.3 @ VRLab" at 22.1,25.393 h1.52